# Altium PCB micro-ltc-pvt1f.PcbDoc (part 3 of 4) (continued)
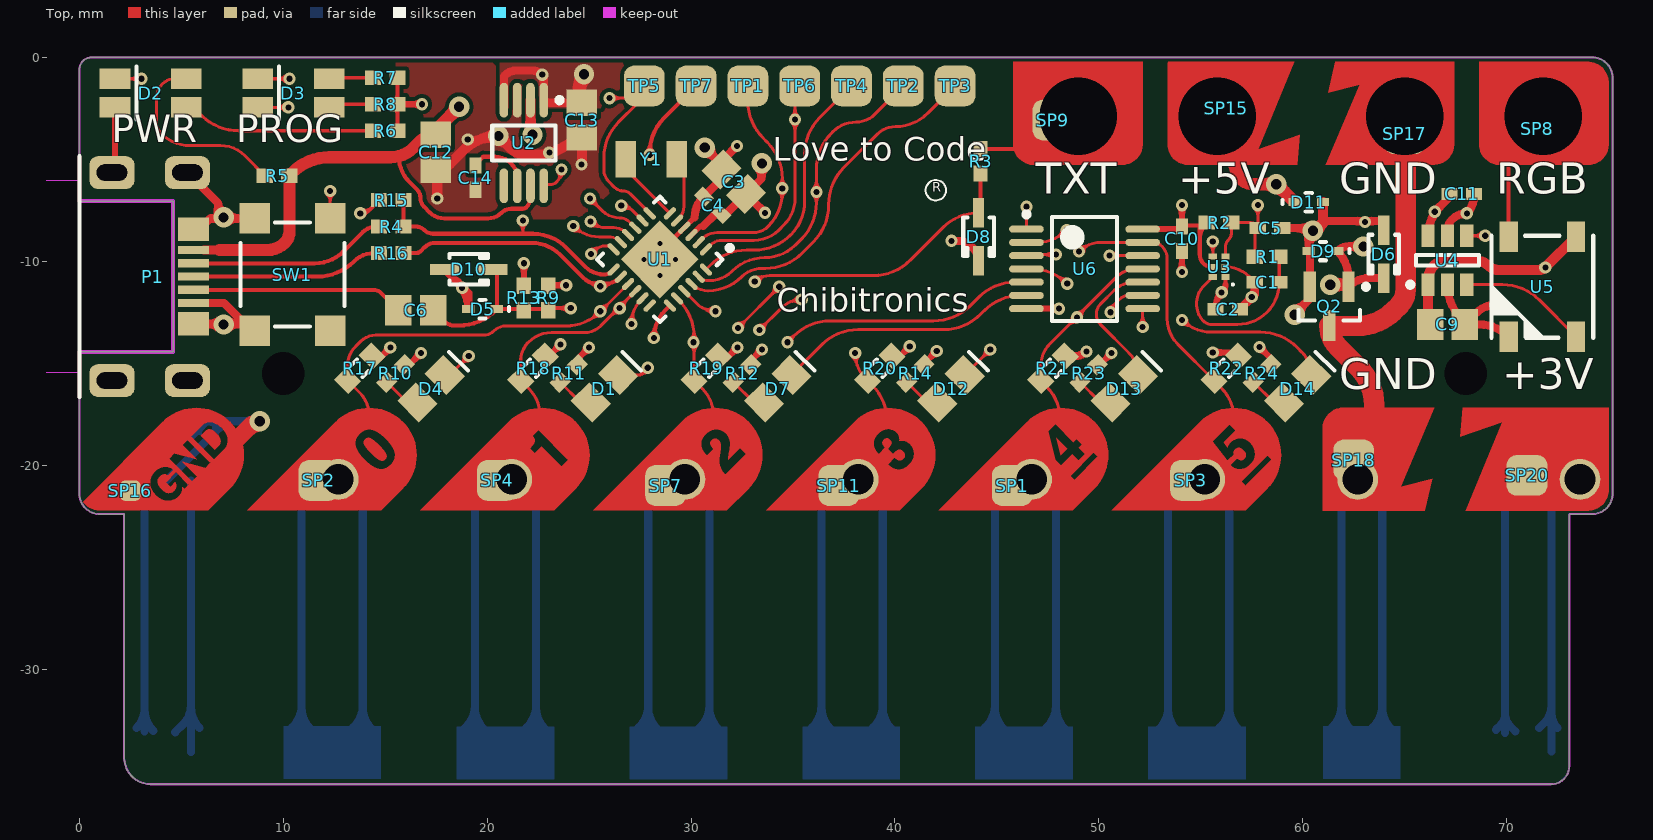
[diagram p0: Top view]
## Nets (pads, with @x,y where several pads share a name; then routed paths per layer and width w, separated by ;. In a path a pad name is that pad's centre, name@x,y a point inside that pad or via, vN(x,y) a via of type N, cw(c..) or ccw(c..) an arc to the next point about the centre after c; other vN are vias at no path point) (continued)
NetD1_2: D1.2 U6.4 | length 26.5
  Top w0.15: D1.2@26.422,-15.578 27.522,-15.578 v1(27.875,-15.225) ; v1(32.3,-13.275) v1(34.325,-11.25) ; U6.4@46.45,-10.375 46.7,-10.375 cw(c46.7,-12.85) v1(48.45,-11.1)
  L2 w0.15: v1(27.875,-15.225) 28.6,-15.225 29.25,-14.575 29.25,-13.9 29.75,-13.4 32.175,-13.4 v1(32.3,-13.275) ; v1(34.325,-11.25) 44.025,-11.25 44.175,-11.1 v1(48.45,-11.1)
NetD2_1: D2.1 R6.2 | length 9.5
  Top w0.15: D2.1@5.25,-2.45 cw(c5.25,-3.295) 5.847,-2.697 6.006,-2.856 ccw(c7.802,-1.06) 7.802,-3.6 R6.2@14.4,-3.6
NetD2_2: D2.2 R5.2 | length 9.5
  Top w0.15: 4.012,-3.737 cw(c4.586,-3.164) 3.775,-3.164 3.775,-2.024 cw(c4.799,-2.024) 4.075,-1.3 cw(c4.679,-1.904) 4.679,-1.05 D2.2@5.125,-1.05 ; 4.013,-3.738 ccw(c5.431,-2.319) 5.431,-4.325 6.925,-4.325 cw(c6.925,-6.015) 8.119,-4.819 ; 8.12,-4.82 R5.2@9.1,-5.8
NetD3_1: D3.1 R8.2 | length 2
  Top w0.15: D3.1@12.4,-2.3 R8.2@14.4,-2.3
NetD3_2: D3.2 R7.2 | length 2.1
  Top w0.15: D3.2@12.3,-1 R7.2@14.4,-1
NetD4_1: D4.1 R10.2 | length 1.9
  Top w0.15: R10.2@15.076,-15.924 16.073,-16.922 D4.1@16.578,-16.922
NetD4_2: D4.2 U6.2 | length 40.6
  Top w0.15: D4.2@17.922,-15.578 18.172,-15.578 v1(19.1,-14.65) ; v1(33.35,-13.375) 34.443,-12.282 cw(c35.425,-13.263) v1(35.425,-11.875) ; U6.2@46.45,-9.075 46.976,-9.075 ccw(c46.976,-7.026) v1@48.424,-8.476
  L2 w0.15: v1@19,-14.75 v1(19.1,-14.65) 24.125,-14.65 24.45,-14.975 25.675,-14.975 26,-14.65 28.3,-14.65 28.8,-14.15 28.8,-13.725 29.55,-12.975 31.675,-12.975 32.1,-12.55 32.525,-12.55 v1(33.35,-13.375) ; v1(35.425,-11.875) 44.825,-11.875 45.05,-11.65 49.075,-11.65 49.675,-11.05 49.675,-9 49.15,-8.475 v1(48.425,-8.475)
NetD7_1: D7.1 R12.2 | length 1.9
  Top w0.15: R12.2@32.076,-15.924 33.073,-16.922 D7.1@33.578,-16.922
NetD7_2: D7.2 U6.6 | length 12.8
  Top w0.15: D7.2@34.922,-15.578 36.406,-14.094 cw(c38.202,-15.89) 38.202,-13.35 42.398,-13.35 ccw(c42.398,-10.81) 44.194,-12.606 44.381,-12.419 cw(c46.177,-14.215) 46.177,-11.675 U6.6@46.45,-11.675
NetD12_1: D12.1 R14.2 | length 1.9
  Top w0.15: R14.2@40.576,-15.924 41.573,-16.922 D12.1@42.078,-16.922
NetD12_2: D12.2 U6.8 | length 10.6
  Top w0.15: D12.2@43.422,-15.578 v1(44.675,-14.325) ; v1(52.15,-13.225) U6.8@52.15,-12.325
  L2 w0.15: v1(44.675,-14.325) 45.15,-13.85 51.525,-13.85 v1(52.15,-13.225)
NetD13_1: D13.1 R23.2 | length 1.9
  Top w0.15: R23.2@49.076,-15.924 50.073,-16.922 D13.1@50.578,-16.922
NetD13_2: D13.2 U6.10 | length 6.7
  Top w0.15: 50.087,-12.088 ccw(c50.599,-12.6) 49.875,-12.6 ccw(c50.599,-12.6) 50.087,-13.112 51.475,-14.5 ; 50.087,-12.088 50.742,-11.433 ; 50.443,-11.732 cw(c52.15,-13.439) 50.445,-11.73 ; 50.743,-11.432 cw(c51.726,-12.417) 51.726,-11.025 U6.10@52.15,-11.025 ; 51.476,-14.501 cw(c50.397,-15.578) D13.2@51.922,-15.578
NetD14_1: D14.1 R24.2 | length 1.9
  Top w0.15: R24.2@57.576,-15.924 58.573,-16.922 D14.1@59.078,-16.922
NetD14_2: D14.2 U6.12 | length 14.1
  Top w0.15: v1(50.525,-9.725) U6.12@52.15,-9.725 ; v1(54.075,-12.875) ccw(c55.524,-11.426) 55.524,-13.475 57.923,-13.475 cw(c57.923,-16.015) 59.719,-14.219 59.958,-14.458 ; 59.958,-14.458 cw(c58.837,-15.578) D14.2@60.422,-15.578
  L2 w0.15: v1(50.525,-9.725) 53.675,-12.875 v1(54.075,-12.875)
NetU1_5: U1.5 Y1.1 | length 2.8
  Top w0.15: U1.5@29.317,-8.003 29.406,-7.914 ccw(c28.817,-7.325) 29.65,-7.325 Y1.1@29.65,-5.35
NetU1_6: U1.6 Y1.2 | length 3.1
  Top w0.15: Y1.2@26.8,-5.487 U1.6@28.963,-7.65
PROG_STATG: D3.3 TP6.1 U1.1 | length 38.4
  Top w0.15: D3.3@8.75,-2.45 v1(10.25,-2.45) ; U1.1@30.731,-9.418 30.925,-9.224 cw(c31.525,-9.824) 31.525,-8.975 33.093,-8.975 ccw(c33.093,-7.268) 34.299,-8.476 ; 34.3,-8.475 34.552,-8.223 ccw(c33.229,-6.9) 35.1,-6.9 v1(35.1,-3.05) 35.1,-1.955 cw(c35.885,-1.955) TP6.1@35.33,-1.4
  L2 w0.15: v1(10.25,-2.45) 10.481,-2.219 cw(c12.277,-4.015) 12.277,-1.475 21.232,-1.475 cw(c21.232,-2.243) 21.775,-1.7 21.856,-1.781 ccw(c23.652,0.015) 23.652,-2.525 34.575,-2.525 v1(35.1,-3.05)
PROG_STATR: D3.4 TP5.1 U1.7 | length 26.6
  Top w0.15: D3.4@8.75,-1.05 v1(10.3,-1.05) ; v1(26,-2) TP5.1@27.11,-2 ; TP5.1@27.346,-2.279 26.437,-3.188 ccw(c28.158,-4.908) 26.436,-3.189 ccw(c28.158,-4.908) 25.725,-4.908 25.725,-5.5 ccw(c26.583,-5.5) 25.976,-6.107 26.239,-6.369 ccw(c26.675,-5.934) 26.675,-6.55 cw(c26.675,-7.029) 27.013,-6.69 U1.7@27.973,-7.65 ; TP5.1@27.346,-2.279 ccw(c26.467,-1.4) TP5.1@27.71,-1.4
  L2 w0.15: v1(10.3,-1.05) 21.214,-1.05 cw(c21.214,-2.586) 22.3,-1.5 ccw(c23.507,-0.293) 23.507,-2 v1(26,-2)
PWR_FAULT: D2.4 U2.8 | length 25.3
  Top w0.15: D2.4@1.75,-1.05 v1(3.05,-1.05) ; U2.8@22.775,-6.3 ccw(c22.715,-6.24) 22.8,-6.24 23.123,-6.24 ccw(c23.123,-5.848) 23.4,-6.125 ccw(c22.796,-5.521) 23.65,-5.521 v1(23.65,-5.5)
  L2 w0.15: v1(3.05,-1.05) 5.748,-1.05 cw(c5.748,-3.59) 7.544,-1.794 8.056,-2.306 ccw(c9.852,-0.51) 9.852,-3.05 16.748,-3.05 cw(c16.748,-3.477) 17.05,-3.175 ccw(c17.352,-2.873) 17.352,-3.3 19.448,-3.3 ccw(c19.448,-2.873) 19.75,-3.175 cw(c20.052,-3.477) 20.052,-3.05 20.692,-3.05 cw(c20.692,-3.733) 21.175,-3.25 cw(c20.813,-3.612) 21.325,-3.612 ccw(c22.805,-3.612) 21.758,-4.658 21.858,-4.758 ccw(c23.65,-2.965) v1(23.65,-5.5)
RGB: U1.8 U4.4 | length 51.6
  Top w0.15: v1(26.575,-7.275) cw(c26.575,-8.038) 27.115,-7.499 U1.8@27.62,-8.003 ; U4.4@68.05,-8.75 v1(68.95,-8.75)
  L2 w0.15: v1(26.575,-7.275) 29.8,-7.275 31.975,-9.45 40.825,-9.45 41.9,-8.375 47.025,-8.375 48.25,-7.15 51.9,-7.15 55.05,-10.3 60.225,-10.3 61.275,-9.25 61.275,-7.7 62.075,-6.9 68.425,-6.9 68.95,-7.425 v1(68.95,-8.75)
RGB_HV: U4.3 U5.4 | length 6.3
  Top w0.15: U4.3@68.05,-11.15 69.798,-11.15 cw(c69.798,-13.69) 71.594,-11.894 U5.4@73.4,-13.7
RGB_OUT: pad.0@71.8,-2.7 pad.0@71.8,-2.9 SP8.1 U5.2 | length 4.3
  Top w0.2: U5.2@70.1,-8.8 70.1,-4.525
RST_LEVEL: C5.1 R1.2 R2.2 SW1.3 TP1.1 U1.2 U3.3 | length 70.2
  Top w0.15: SW1.3@12.3,-7.9 v1(12.3,-6.55) ; TP1.1@32.79,-1.6 32.79,-2.163 ccw(c35.33,-2.163) 33.534,-3.959 33.731,-4.156 cw(c31.935,-5.952) 34.475,-5.952 v1(34.475,-6.425) 34.475,-6.628 cw(c32.128,-6.628) 33.788,-8.287 cw(c33.033,-7.533) 33.033,-8.6 31.275,-8.6 ccw(c31.275,-9.647) 30.711,-8.765 ; U3.3@56.21,-9.775 56.21,-9.323 cw(c56.773,-9.323) 56.375,-8.925 ccw(c56.073,-8.623) 56.5,-8.623 R2.2@56.5,-8.1 57.378,-8.1 cw(c57.378,-8.697) 57.8,-8.275 v1(57.8,-7.25) ; R1.2@57.65,-9.775 C5.1@57.65,-8.525 ; 30.711,-8.765 ccw(c31.275,-9.647) 30.535,-8.907 U1.2@30.377,-9.064 30.412,-9.064 30.711,-8.765
  L2 w0.15: v1(12.3,-6.55) 13.2,-6.55 cw(c13.2,-8.3) 14.437,-7.062 15.731,-8.356 ccw(c17.527,-6.56) 17.527,-9.1 20.673,-9.1 ccw(c20.673,-6.56) 21.87,-8.8 ccw(c20.673,-6.56) 22.469,-8.356 22.5,-8.325 22.5,-7.85 23.85,-6.5 24.7,-6.5 24.875,-6.325 25.95,-6.325 26.025,-6.25 30.95,-6.25 33.25,-8.55 34,-8.55 34.475,-8.075 v1(34.475,-6.425) 34.825,-6.425 35.525,-5.725 39.525,-5.725 40.1,-6.3 52.225,-6.3 53.85,-7.925 55.275,-7.925 55.95,-7.25 v1(57.8,-7.25)
RST_PULSE: TP2.1 U1.23 U3.4 | length 36.8
  Top w0.15: U1.23@30.377,-10.761 ccw(c30.833,-10.305) 30.833,-10.95 30.896,-10.95 ccw(c30.896,-9.371) 32.013,-10.487 ; TP2.1@40.41,-1.4 39.013,-2.797 cw(c38.1,-1.883) 38.1,-3.175 ccw(c38.1,-4.805) 37.365,-3.35 ccw(c38.1,-4.805) 36.948,-3.652 36.894,-3.706 ccw(c38.69,-5.502) 36.15,-5.502 v1(36.15,-6.6) 36.15,-7.123 cw(c33.61,-7.123) 35.406,-8.919 35.136,-9.189 cw(c33.6,-7.652) 33.6,-9.825 ccw(c33.6,-12.058) 32.863,-9.95 ccw(c33.6,-12.058) 32.021,-10.479 ; U3.4@55.59,-9.775 v1(55.59,-9.025) ; 32.013,-10.487 32.021,-10.479 ; 32.013,-10.487 32.021,-10.479
  L2 w0.15: v1(36.15,-6.6) 36.275,-6.725 52.05,-6.725 54.35,-9.025 v1(55.59,-9.025)
SWD_CLK: TP3.1 U1.22 | length 17.8
  Top w0.15: U1.22@30.024,-11.115 ccw(c30.833,-10.305) 30.833,-11.45 ccw(c30.833,-9.116) 32.483,-10.767 ; 32.484,-10.766 cw(c33.489,-11.771) 33.489,-10.35 33.648,-10.35 ccw(c33.648,-7.81) 35.444,-9.606 36.006,-9.044 ccw(c34.21,-7.248) 36.75,-7.248 36.75,-7.202 cw(c39.29,-7.202) 36.9,-6.342 cw(c39.29,-7.202) 37.494,-5.406 39.129,-3.771 cw(c40.025,-4.667) 40.025,-3.4 ccw(c40.025,-1.167) 41.604,-2.746 TP3.1@42.95,-1.4
SWD_DIO: TP4.1 U1.24 | length 13
  Top w0.15: U1.24@30.731,-10.408 30.956,-10.183 cw(c32.725,-11.952) 32.725,-9.45 33.098,-9.45 ccw(c33.098,-6.91) 34.894,-8.706 ; 34.894,-8.706 ccw(c33.25,-7.062) 35.575,-7.062 35.575,-4.747 cw(c38.115,-4.747) 36.319,-2.951 TP4.1@37.87,-1.4
UART_RX: R4.1 R15.2 TP7.1 U1.13 | length 24.9
  Top w0.15: 21.75,-8.65 v1(21.75,-8)
  Top w0.2: R15.2@15.9,-7 R4.1@15.9,-8.3 16.503,-8.3 cw(c16.503,-8.897) 16.925,-8.475 ccw(c17.347,-8.053) 17.347,-8.65 21.75,-8.65 22.245,-8.65 cw(c22.245,-10.955) 23.875,-9.325 24.825,-10.275 ; 24.826,-10.276 ccw(c25.73,-9.37) 25.73,-10.65 ccw(c25.73,-10.088) 26.127,-10.486 U1.13@26.205,-10.408 ; v1(27.975,-4.775) 27.975,-4.665 cw(c30.365,-4.665) 28.675,-2.975 TP7.1@30.25,-1.4
  L2 w0.15: v1(21.75,-8) 23.6,-6.15 24.55,-6.15 24.75,-5.95 25.8,-5.95 25.9,-5.85 26.9,-5.85 v1(27.975,-4.775)
UART_RX_PROT: P1.2 R4.2 | length 9.7
  Top w0.2: P1.2@5.6,-10.1 11.544,-10.1 ccw(c11.544,-8.094) 12.962,-9.513 ; 12.963,-9.512 13.892,-8.583 cw(c14.575,-9.266) 14.575,-8.3 R4.2@14.7,-8.3
UART_TX: D8.2 R3.1 R16.1 U1.14 | length 39.5
  Top w0.15: v1@33.125,-11 cw(c33.849,-11.724) 33.849,-10.7 38.948,-10.7 ccw(c38.948,-8.16) 40.744,-9.956 42.35,-8.35 cw(c44.1,-10.1) D8.2@44.1,-7.625
  Top w0.2: R16.1@15.9,-9.6 16.5,-9.6 ccw(c16.5,-9.238) 16.756,-9.494 16.938,-9.312 cw(c17.449,-9.822) 17.449,-9.1 22.187,-9.1 cw(c22.187,-11.063) 23.575,-9.675 ; U1.14@26.559,-10.761 cw(c25.62,-9.822) 25.62,-11.15 25.55,-11.15 cw(c25.55,-9.943) 24.697,-10.797 ; D8.2@44.2,-7.525 R3.1@44.2,-5.7 ; 23.575,-9.675 24.697,-10.797 ; 23.575,-9.675 24.696,-10.796
  L2 w0.15: v1(25.55,-11.225) 24.15,-9.825 24.15,-9.4 24.55,-9 27.575,-9 29.575,-11 v1(33.125,-11)
UART_TX_EXT: pad.0@49,-2.7 pad.0@49,-2.9 R3.2 SP9.1 | length 2.3
  Top w0.2: R3.2@44.2,-4.5 46.5,-4.5
UART_TX_PROT: P1.3 R16.2 | length 9.4
  Top w0.2: P1.3@5.6,-10.75 11.673,-10.75 ccw(c11.673,-8.21) 13.469,-10.006 cw(c14.449,-10.986) 14.449,-9.6 R16.2@14.7,-9.6
VBAT_D: C9.1 C12.1 D11.1 P1.1 pad.0@55.8,-2.9 pad.0@56.1,-2.7 R5.1 SP15.1 U2.2 U2.7 U4.1 U5.1 | length 102.1
  Top w0.2: 15.661,-4.847 15.665,-4.847 ccw(c17.459,-4.847) 16.191,-6.116 16.565,-6.49 cw(c16.181,-6.875) 16.725,-6.875 ccw(c17.388,-6.875) 16.919,-7.344 17.175,-7.6 ccw(c17.899,-6.876) 17.899,-7.9 20.036,-7.9 ccw(c20.036,-6.961) 20.7,-7.625 cw(c21.183,-8.108) 21.183,-7.425 21.744,-7.425 ccw(c21.744,-7.169) 21.925,-7.35 ccw(c21.442,-6.867) 22.125,-6.867 U2.7@22.125,-6.3
  Top w0.4: P1.1@5.6,-9.45 6.875,-9.45
  Top w0.5: U2.2@22.125,-2.1 22.125,-3.594 cw(c21.869,-3.594) 22.05,-3.775 22.075,-3.8 v2(22.225,-3.8) ; C9.1@66.25,-13.1 66.15,-13 U4.1@66.15,-11.15 66.15,-10.924 cw(c67.174,-10.924) 66.45,-10.2 cw(c66.993,-10.743) 66.993,-9.975 68.486,-9.975 cw(c68.486,-10.914) 69.15,-10.25 ccw(c69.572,-9.828) 69.572,-10.425 71.598,-10.425 ccw(c71.598,-9.998) v1(71.9,-10.3) U5.1@73.4,-8.8
  Top w0.6: 6.875,-9.45 9.23,-9.45 ccw(c9.23,-8.255) 10.075,-9.1 ccw(c9.532,-8.557) 10.3,-8.557 R5.1@10.3,-5.8 10.456,-5.644 cw(c12.252,-7.44) 12.252,-4.9 15.253,-4.9 ccw(c15.253,-3.278) 15.665,-4.847 ccw(c15.253,-3.278) 16.4,-4.425 16.707,-4.118 cw(c17.475,-4.886) C12.1@17.475,-3.8 cw(c18.018,-3.8) 17.634,-3.416 v2(18.625,-2.425) v2@18.625,-2.475 ; 56.65,-5.025 56.65,-5.155 ccw(c57.845,-5.155) 57,-6 ccw(c57.543,-5.457) 57.543,-6.225 v2(58.7,-6.225) ; v2@58.8,-6.3 D11.1@59.6,-7.1
  L2 w0.6: v2@18.625,-2.475 v2(18.625,-2.425) 19.867,-2.425 21.161,-2.425 cw(c21.161,-3.364) 21.825,-2.7 cw(c20.859,-3.666) 22.225,-3.666 v2(22.225,-3.8) v2@22.075,-3.8 ; v2@22.05,-3.875 26.075,-3.875 26.775,-3.175 33.525,-3.175 34.425,-4.075 39.325,-4.075 40.825,-5.575 55.975,-5.575 56.625,-6.225 v2(58.7,-6.225) 69.1,-6.225 71.9,-9.025 v1(71.9,-10.3)
VMCU: C2.1 C3.1 C4.1 C10.2 C11.1 C13.1 D6.1 D8.1 D9.1 pad.0@71.8,-20.1 pad.0@73.6,-20.7 Q2.1 R2.1 R6.1 R7.1 R8.1 R9.1 R10.1 R11.1 R12.1 R14.1 R15.1 R23.1 R24.1 SP20.1 U1.3 U2.1 U2.4 U3.1 U3.5 U4.6 U6.14 | length 419.9
  Top w0.2: v1(13.775,-7.65) ccw(c13.775,-6.986) 14.244,-7.456 R15.1@14.7,-7 ; R6.1@15.6,-3.6 R8.1@15.6,-2.3 R7.1@15.6,-1 ; C10.2@54.125,-8.25 R2.1@55.05,-8.25 ; R2.1@55.3,-8.25 R2.1@55.173,-8.25 ; R2.1@55.3,-8.1 ccw(c56.145,-8.945) R2.1@55.173,-8.25 ; U3.5@55.59,-10.275 55.547,-10.275 cw(c55.547,-9.678) 55.125,-10.1 cw(c55.546,-9.678) 54.95,-9.678 54.95,-8.945 ; v1@56.21,-11.365 U3.1@56.21,-10.775 ; 54.95,-8.945 cw(c56.145,-8.945) R2.1@55.173,-8.25 ; 54.95,-8.945 54.95,-8.35 R2.1@55.05,-8.25 ; R2.1@55.05,-8.25 R2.1@55.173,-8.25
  Top w0.25: U1.3@30.024,-8.711 30.459,-8.275 30.6,-8.275
  Top w0.3: R8.1@15.6,-2.3 v1(16.8,-2.3) ; R10.1@15.924,-15.076 16.174,-15.076 v1(16.75,-14.5) ; R9.1@23,-11.2 23.025,-11.175 v1(23.875,-11.175) ; R11.1@24.5,-14.725 v1(25,-14.225) ; R12.1@32.9,-14.9 v1(33.476,-14.324) ; R14.1@41.475,-14.975 v1(42.051,-14.399) ; D8.1@44.1,-9.975 D8.1@44.1,-9.575 ; R23.1@50.05,-15.075 v1(50.626,-14.499) ; U6.14@52.15,-8.425 C10.2@53.95,-8.425 ; C10.2@54.075,-8.3 v1@54.075,-7.225 ; C2.1@55.725,-12.35 55.725,-12.249 cw(c56.749,-12.249) v1(56.025,-11.525) v1@56.076,-11.474 ; v1@56.076,-11.474 ccw(c55.751,-11.15) 56.21,-11.15 ; v1(57.874,-14.199) R24.1@58.45,-14.775
  Top w0.4: U2.4@20.825,-2.1 20.825,-0.996 cw(c20.996,-0.996) 20.875,-0.875 cw(c21.418,-1.418) 21.418,-0.65 22.217,-0.65 cw(c22.217,-1.333) v1(22.7,-0.85) cw(c22.519,-1.031) 22.775,-1.031 U2.1@22.775,-2.1 ccw(c23.077,-1.798) 23.077,-2.225 C13.1@24.65,-2.225 24.65,-1.066 cw(c24.991,-1.066) 24.75,-0.825 24.711,-0.864 ccw(c25.522,-1.675) 24.375,-1.675 24.625,-1.925 cw(c24.203,-1.503) C13.1@24.203,-2.1 ; 30.6,-8.275 31.196,-7.679 C4.1@31.484,-7.679 31.723,-7.679 C3.1@32.701,-6.701 ; v2@33.45,-5.35 33.45,-5.952 C3.1@32.701,-6.701 ; v1(33.625,-7.625) C3.1@32.701,-6.701 ; v1(42.775,-9) 43.086,-9 cw(c43.086,-9.939) 43.75,-9.275 43.853,-9.378 cw(c43.255,-9.975) D8.1@44.1,-9.975 ; Q2.1@62.15,-11.15 Q2.1@62.25,-11.25 ; v2(62.975,-9.275) 62.243,-9.275 ccw(c62.243,-10.043) D9.1@61.7,-9.5 cw(c60.372,-10.828) 62.25,-10.828 Q2.1@62.25,-11.25 ; D6.1@63.975,-10.825 63.276,-10.825 ccw(c63.276,-12.276) Q2.1@62.25,-11.25 ; U4.6@66.15,-8.75 cw(c68.202,-8.75) 66.751,-7.299 67.094,-6.956 ccw(c66.838,-6.7) C11.1@67.2,-6.7 C11.1@67.2,-6.6
  Top w0.6: v2(61.35,-11.15) Q2.1@62.15,-11.15
  L2 w0.4: v2(61.35,-11.15) 61.35,-10.225 62,-9.575 62,-7.875 62.5,-7.375 63.975,-7.375 64.175,-7.575 v1(66.475,-7.575)
  L2 w1: v2(62.975,-9.275) 62.975,-14.475 67.1,-18.6 71.5,-18.6 pad.0@73.6,-20.7
  L3 w0.15: 69.2,-35.283 69.317,-35.4 ; 69.2,-35.102 70.241,-34.061 ; 69.2,-34.717 69.883,-35.4 ; 69.2,-34.536 69.958,-33.778 ; 69.2,-34.151 70.449,-35.4 ; 69.2,-33.971 69.675,-33.495 ; 69.2,-33.586 71.014,-35.4 ; 69.2,-33.405 69.392,-33.213 ; 69.2,-33.02 69.392,-33.213 ; 69.2,-32.839 69.392,-32.647 ; 69.2,-32.454 69.392,-32.647 ; 69.2,-32.274 69.392,-32.081 ; 69.2,-31.708 69.393,-31.515 ; 69.2,-31.323 69.393,-31.515 ; 69.2,-31.142 72.94,-27.402 ; 69.2,-30.757 69.675,-31.233 ; 69.2,-30.577 72.94,-26.837 ; 69.2,-30.192 69.958,-30.95 ; 69.2,-30.011 72.94,-26.271 ; 69.2,-29.626 70.241,-30.667 ; 69.2,-29.445 72.94,-25.705 ; 69.2,-29.06 70.524,-30.384 ; 69.2,-28.88 72.94,-25.14 ; 69.2,-28.495 70.807,-30.101 ; 69.2,-28.314 72.94,-24.574 ; 69.2,-27.929 71.09,-29.818 ; 69.2,-27.748 72.94,-24.008 ; 69.2,-27.363 72.94,-31.103 ; 69.2,-27.183 72.94,-23.442 ; 69.2,-26.797 72.94,-30.537 ; 69.2,-26.617 72.94,-22.877 ; 69.2,-26.232 72.94,-29.972 ; 69.2,-26.051 73,-22.251 ; 69.2,-25.666 72.94,-29.406 ; 69.2,-25.485 73,-21.685 ; 69.2,-25.1 72.94,-28.84 ; 69.2,-24.92 pad.0@73,-21.12 ; 69.2,-24.535 72.94,-28.275 ; 69.2,-24.354 pad.0@72.654,-20.9 ; 69.2,-23.969 72.94,-27.709 ; 69.2,-23.788 72.088,-20.9 ; 69.2,-23.403 72.94,-27.143 ; 69.2,-23.223 71.523,-20.9 ; 69.2,-22.838 72.94,-26.578 ; 69.2,-22.657 70.957,-20.9 ; 69.2,-22.272 72.94,-26.012 ; 69.2,-22.091 70.391,-20.9 ; 69.2,-21.706 72.94,-25.446 ; 69.2,-21.526 69.826,-20.9 ; 69.2,-21.141 72.94,-24.881 ; 69.468,-35.4 70.524,-34.344 ; 69.525,-20.9 72.94,-24.315 ; 70.033,-35.4 70.807,-34.627 ; 70.091,-20.9 72.94,-23.749 ; 70.599,-35.4 71.09,-34.91 ; 70.656,-20.9 72.94,-23.184 ; 71.165,-35.4 72.94,-33.625 ; 71.222,-20.9 72.94,-22.618 ; 71.58,-35.4 71.09,-34.91 ; 71.73,-35.4 72.94,-34.19 ; 71.788,-20.9 73,-22.112 ; 72.146,-35.4 71.372,-34.627 ; 72.296,-35.4 72.94,-34.756 ; 72.353,-20.9 73,-21.547 ; 72.892,-35.015 71.938,-34.061 ; pad.0@72.919,-20.9 pad.0@73,-20.981 ; 72.94,-34.497 72.221,-33.778 ; 72.94,-33.932 72.504,-33.495 ; 72.94,-33.366 72.787,-33.213 ; 72.94,-33.059 72.787,-33.213 ; 72.94,-32.8 72.787,-32.647 ; 72.94,-32.493 72.787,-32.647 ; 72.94,-32.235 72.787,-32.081 ; 72.94,-31.928 72.787,-32.081 ; 72.94,-31.669 72.787,-31.515 ; 72.94,-31.362 72.787,-31.515 ; 72.94,-30.796 72.504,-31.233 ; 72.94,-30.231 72.221,-30.95 ; 72.94,-29.665 71.938,-30.667 ; 72.94,-29.099 71.655,-30.384 ; 72.94,-28.534 71.372,-30.101 ; 72.94,-27.968 71.09,-29.818 ; 69.392,-33.213 69.675,-33.495 ; 69.392,-33.213 69.675,-32.93 ; 69.392,-32.647 69.675,-32.93 ; 69.392,-32.647 69.675,-32.364 ; 69.393,-32.081 69.675,-32.364 ; 69.393,-32.081 69.2,-31.889 69.392,-32.081 ; 69.392,-32.081 69.675,-32.364 ; 69.393,-32.081 69.675,-31.798 ; 69.393,-31.515 69.675,-31.798 ; 69.393,-31.515 69.675,-31.233 ; 69.675,-33.495 69.958,-33.778 ; 69.675,-33.495 69.958,-33.213 ; 69.675,-32.93 69.958,-32.647 ; 69.675,-32.93 69.958,-33.213 ; 69.675,-32.364 69.958,-32.647 ; 69.675,-32.364 69.958,-32.647 ; 69.675,-32.364 69.958,-32.081 ; 69.675,-31.798 69.958,-32.081 ; 69.675,-31.798 69.958,-31.515 ; 69.675,-31.233 69.958,-31.515 ; 69.675,-31.233 69.958,-30.95 ; 69.958,-33.778 70.241,-34.061 ; 69.958,-33.778 70.241,-33.495 ; 69.958,-33.213 70.241,-32.93 ; 69.958,-33.213 70.241,-33.495 ; 69.958,-32.647 70.241,-32.364 ; 69.958,-32.647 70.241,-32.93 ; 69.958,-32.647 70.241,-32.93 ; 69.958,-32.081 70.241,-32.364 ; 69.958,-32.081 70.241,-31.798 ; 69.958,-31.515 70.241,-31.798 ; 69.958,-31.515 70.241,-31.233 ; 69.958,-30.95 70.241,-31.233 ; 69.958,-30.95 70.241,-30.667 ; 70.241,-34.061 70.524,-34.344 ; 70.241,-34.061 70.524,-33.778 ; 70.241,-33.495 70.524,-33.213 ; 70.241,-33.495 70.524,-33.778 ; 70.241,-32.93 70.524,-32.647 ; 70.241,-32.93 70.524,-33.213 ; 70.241,-32.93 70.524,-33.213 ; 70.241,-32.364 70.524,-32.081 ; 70.241,-32.364 70.524,-32.647 ; 70.241,-31.798 70.524,-32.081 ; 70.241,-31.798 70.524,-31.515 ; 70.241,-31.233 70.524,-31.515 ; 70.241,-31.233 70.524,-30.95 ; 70.241,-30.667 70.524,-30.95 ; 70.241,-30.667 70.524,-30.384 ; 70.524,-34.344 70.807,-34.627 ; 70.524,-34.344 70.807,-34.061 ; 70.524,-33.778 70.807,-33.495 ; 70.524,-33.778 70.807,-34.061 ; 70.524,-33.213 70.807,-33.495 ; 70.524,-33.213 70.807,-32.93 ; 70.524,-33.213 70.807,-33.495 ; 70.524,-32.647 70.807,-32.364 ; 70.524,-32.647 70.807,-32.93 ; 70.524,-32.081 70.807,-32.364 ; 70.524,-32.081 70.807,-31.798 ; 70.524,-31.515 70.807,-31.798 ; 70.524,-31.515 70.807,-31.233 ; 70.524,-30.95 70.807,-31.233 ; 70.524,-30.95 70.807,-30.667 ; 70.524,-30.384 70.807,-30.101 ; 70.524,-30.384 70.807,-30.667 ; 70.807,-34.627 71.09,-34.91 ; 70.807,-34.627 71.09,-34.344 ; 70.807,-34.061 71.09,-33.778 ; 70.807,-34.061 71.09,-34.344 ; 70.807,-33.495 71.09,-33.213 ; 70.807,-33.495 71.09,-33.778 ; 70.807,-33.495 71.09,-33.778 ; 70.807,-32.93 71.09,-32.647 ; 70.807,-32.93 71.09,-33.213 ; 70.807,-32.364 71.09,-32.081 ; 70.807,-32.364 71.09,-32.647 ; 70.807,-31.798 71.09,-32.081 ; 70.807,-31.798 71.09,-31.515 ; 70.807,-31.233 71.09,-31.515 ; 70.807,-31.233 71.09,-30.95 ; 70.807,-30.667 71.09,-30.384 ; 70.807,-30.667 71.09,-30.95 ; 70.807,-30.101 71.09,-29.818 ; 70.807,-30.101 71.09,-30.384 ; 71.09,-34.91 71.372,-34.627 ; 71.09,-34.344 71.372,-34.061 ; 71.09,-34.344 71.372,-34.627 ; 71.09,-33.778 71.372,-33.495 ; 71.09,-33.778 71.372,-34.061 ; 71.09,-33.778 71.372,-34.061 ; 71.09,-33.213 71.372,-32.93 ; 71.09,-33.213 71.372,-33.495 ; 71.09,-32.647 71.372,-32.93 ; 71.09,-32.647 71.372,-32.364 ; 71.09,-32.081 71.372,-31.798 ; 71.09,-32.081 71.372,-32.364 ; 71.09,-31.515 71.372,-31.798 ; 71.09,-31.515 71.372,-31.233 ; 71.09,-30.95 71.372,-31.233 ; 71.09,-30.95 71.372,-30.667 ; 71.09,-30.384 71.372,-30.101 ; 71.09,-30.384 71.372,-30.667 ; 71.09,-29.818 71.372,-30.101 ; 71.372,-34.627 71.655,-34.344 ; 71.372,-34.061 71.655,-33.778 ; 71.372,-34.061 71.655,-34.344 ; 71.372,-34.061 71.655,-34.344 ; 71.372,-33.495 71.655,-33.213 ; 71.372,-33.495 71.655,-33.778 ; 71.372,-32.93 71.655,-33.213 ; 71.372,-32.93 71.655,-32.647 ; 71.372,-32.364 71.655,-32.647 ; 71.372,-32.364 71.655,-32.081 ; 71.372,-31.798 71.655,-31.515 ; 71.372,-31.798 71.655,-32.081 ; 71.372,-31.233 71.655,-30.95 ; 71.372,-31.233 71.655,-31.515 ; 71.372,-30.667 71.655,-30.384 ; 71.372,-30.667 71.655,-30.95 ; 71.372,-30.101 71.655,-30.384 ; 71.655,-34.344 71.938,-34.061 ; 71.655,-34.344 72.656,-35.345 71.655,-34.344 ; 71.655,-33.778 71.938,-33.495 ; 71.655,-33.778 71.938,-34.061 ; 71.655,-33.213 71.938,-32.93 ; 71.655,-33.213 71.938,-33.495 ; 71.655,-32.647 71.938,-32.93 ; 71.655,-32.647 71.938,-32.364 ; 71.655,-32.081 71.938,-32.364 ; 71.655,-32.081 71.938,-31.798 ; 71.655,-31.515 71.938,-31.233 ; 71.655,-31.515 71.938,-31.798 ; 71.655,-30.95 71.938,-30.667 ; 71.655,-30.95 71.938,-31.233 ; 71.655,-30.384 71.938,-30.667 ; 71.938,-34.061 72.221,-33.778 ; 71.938,-33.495 72.221,-33.213 ; 71.938,-33.495 72.221,-33.778 ; 71.938,-32.93 72.221,-32.647 ; 71.938,-32.93 72.221,-33.213 ; 71.938,-32.364 72.221,-32.647 ; 71.938,-32.364 72.221,-32.081 ; 71.938,-31.798 72.221,-31.515 ; 71.938,-31.798 72.221,-32.081 ; 71.938,-31.233 72.221,-30.95 ; 71.938,-31.233 72.221,-31.515 ; 71.938,-30.667 72.221,-30.95 ; 72.221,-33.778 72.504,-33.495 ; 72.221,-33.213 72.504,-32.93 ; 72.221,-33.213 72.504,-33.495 ; 72.221,-32.647 72.504,-32.364 ; 72.221,-32.647 72.504,-32.93 ; 72.221,-32.081 72.504,-31.798 ; 72.221,-32.081 72.504,-32.364 ; 72.221,-31.515 72.504,-31.233 ; 72.221,-31.515 72.504,-31.798 ; 72.221,-30.95 72.504,-31.233 ; 72.504,-33.495 72.787,-33.213 ; 72.504,-32.93 72.787,-32.647 ; 72.504,-32.93 72.787,-33.213 ; 72.504,-32.364 72.787,-32.081 ; 72.504,-32.364 72.787,-32.647 ; 72.504,-31.798 72.787,-31.515 ; 72.504,-31.798 72.787,-32.081 ; 72.504,-31.233 72.787,-31.515 ; 72.94,-22.4 cw(c73.075,-22.4) 73,-22.288 ; 72.94,-22.4 cw(c73.075,-22.4) 73,-22.288 ; 72.94,-22.4 72.94,-34.75 cw(c72.175,-34.75) 72.578,-35.4 69.2,-35.4 69.2,-20.9 73,-20.9 73,-22.288
  Bottom w0.4: 69.475,-32.975 69.713,-32.737 ccw(c69.201,-32.225) 69.925,-32.225 ; 69.925,-33.125 69.925,-32.225 ; 70.425,-33.05 70.155,-32.78 cw(c70.71,-32.225) 69.925,-32.225 ; pad.0@71.1,-21.3 pad.0@71.7,-20.7 ; 71.6,-32.9 71.846,-32.654 ccw(c70.993,-31.8) 72.2,-31.8 ; 72.2,-34.05 72.2,-32.176 ; 72.2,-32 72.2,-32.176 ; pad.0@72.2,-21.3 72.2,-32.176 ; 72.5,-32.9 cw(c73.224,-32.176) 72.2,-32.176 ; pad.0@73.6,-20.7 pad.0@71.7,-20.7 ; 69.925,-32.225 69.925,-21.05 70.275,-20.7 pad.0@71.7,-20.7
  other v1: 54.075,-7.25
  other v2: 33.475,-5.2 24.75,-0.825
pads on no net: SW1.4 U1.18 U2.5

## Polygon pours and split planes (outlines as drawn)
EXTGND on L2 "EXTGND_L02_P098" (solid, remove dead copper, pour order 98): 8.875,-17.825 62.425,-17.825 63.325,-18.725 63.8,-19.2 63.8,-20.925 63.8,-21.425 63.5,-21.725 63.325,-21.9 61.175,-21.9 3.15,-21.9 2.6,-21.35 2.6,-19.55 3.5,-18.65 4.375,-17.775 8.75,-17.775
GND on L2 "GND_L02_P092" (solid, remove dead copper, pour order 92): 45.675,-0.9 2.05,-0.9 1.375,-1.575 0.55,-2.4 0.55,-5.575 0.55,-16.575 1.475,-17.5 72.925,-17.5 73.25,-17.5 73.25,-17.425 73.25,-5.575 45.675,-5.575
EXTGND on Bottom "EXTGND_L04_P080" (solid, remove dead copper, pour order 80): 6.3,-35.4 6.3,-32.8 2.335,-32.8 2.3,-32.835 2.3,-35.4 6.3,-35.4
VMCU on Bottom "VMCU_L04_P084" (solid, remove dead copper, pour order 84): 69.2,-35.4 73,-35.4 73,-32.86 72.94,-32.8 69.2,-32.8 69.2,-35.4
GND on Bottom "GND_L04_P088" (hatched 90Degree grid 0.4 track 0.2, remove dead copper, pour order 88): 74.1,-5.925 74.1,-15.175 71.45,-17.825 15.675,-17.825 12.2,-14.35 11.35,-13.5 9.825,-13.5 9.2,-13.5 7.675,-15.025 5.525,-17.175 0.025,-17.175 0.025,-4.525 1.85,-2.7 18.325,-2.7 19.525,-1.5 20.425,-0.6 26.575,-0.6 27.775,-1.8 40.55,-1.8 43.925,-5.175 44.35,-5.6 72.75,-5.6 73.725,-5.6 74.05,-5.925
VMCU on L3 "VMCU_L03_P086" (hatched 90Degree grid 0.4 track 0.2, remove dead copper, pour order 86): 61.325,-5.775 61.325,-9.575 62.275,-10.525 62.725,-10.975 62.725,-15.65 61.95,-16.425 56.625,-16.425 15.175,-16.425 13.9,-15.15 13.575,-14.825 13.575,-7.15 13.575,-2.175 14.675,-1.075 14.875,-0.875 17.025,-0.875 39.4,-0.875 43.325,-4.8 44.3,-5.775 61.3,-5.775
VMCU on Top "VMCU_L01_P100" (solid, remove dead copper, pour order 100): 20.625,-2.475 ccw(c20.685,-2.415) 20.685,-2.5 25.437,-2.5 ccw(c25.437,-0.537) 26.825,-1.925 26.825,0.153 ccw(c26.228,0.153) 26.65,0.575 21.468,0.575 ccw(c21.468,-0.193) 20.925,0.35 ccw(c21.649,-0.374) 20.625,-0.374
GND on Top "GND_L01_P102" (solid, remove dead copper, pour order 102): 27.15,-1.825 27.15,-4.473 cw(c24.61,-4.473) 26.406,-6.269 25.075,-7.6 cw(c24.23,-6.755) 24.23,-7.95 18.102,-7.95 cw(c18.102,-5.41) 16.306,-7.206 15.7,-6.6 cw(c16.122,-6.178) 15.525,-6.178 15.525,0.2 cw(c17.275,-1.55) 17.275,0.925 25.356,0.925 cw(c25.356,-1.294) 26.925,0.275 cw(c26.503,-0.147) 27.1,-0.147 27.1,-1.85

## Keep-outs
Keep-Out Layer:
  lines w0.1: 0,-16.65 0,-21.4 ccw(c1,-21.4) 1,-22.4 2.2,-22.4 2.2,-34.35 ccw(c3.5,-34.35) 3.5,-35.65 72.175,-35.65 ccw(c72.175,-34.75) 73.075,-34.75 73.075,-22.4 74.2,-22.4 ccw(c74.2,-21.4) 75.2,-21.4 75.2,-1 ccw(c74.2,-1) 74.2,0 73.6,0 0.6,0 ccw(c0.6,-0.6) 0,-0.6 0,-4.85